# Altium PCB AATB-V2.1.PcbDoc (part 3 of 5) (continued)
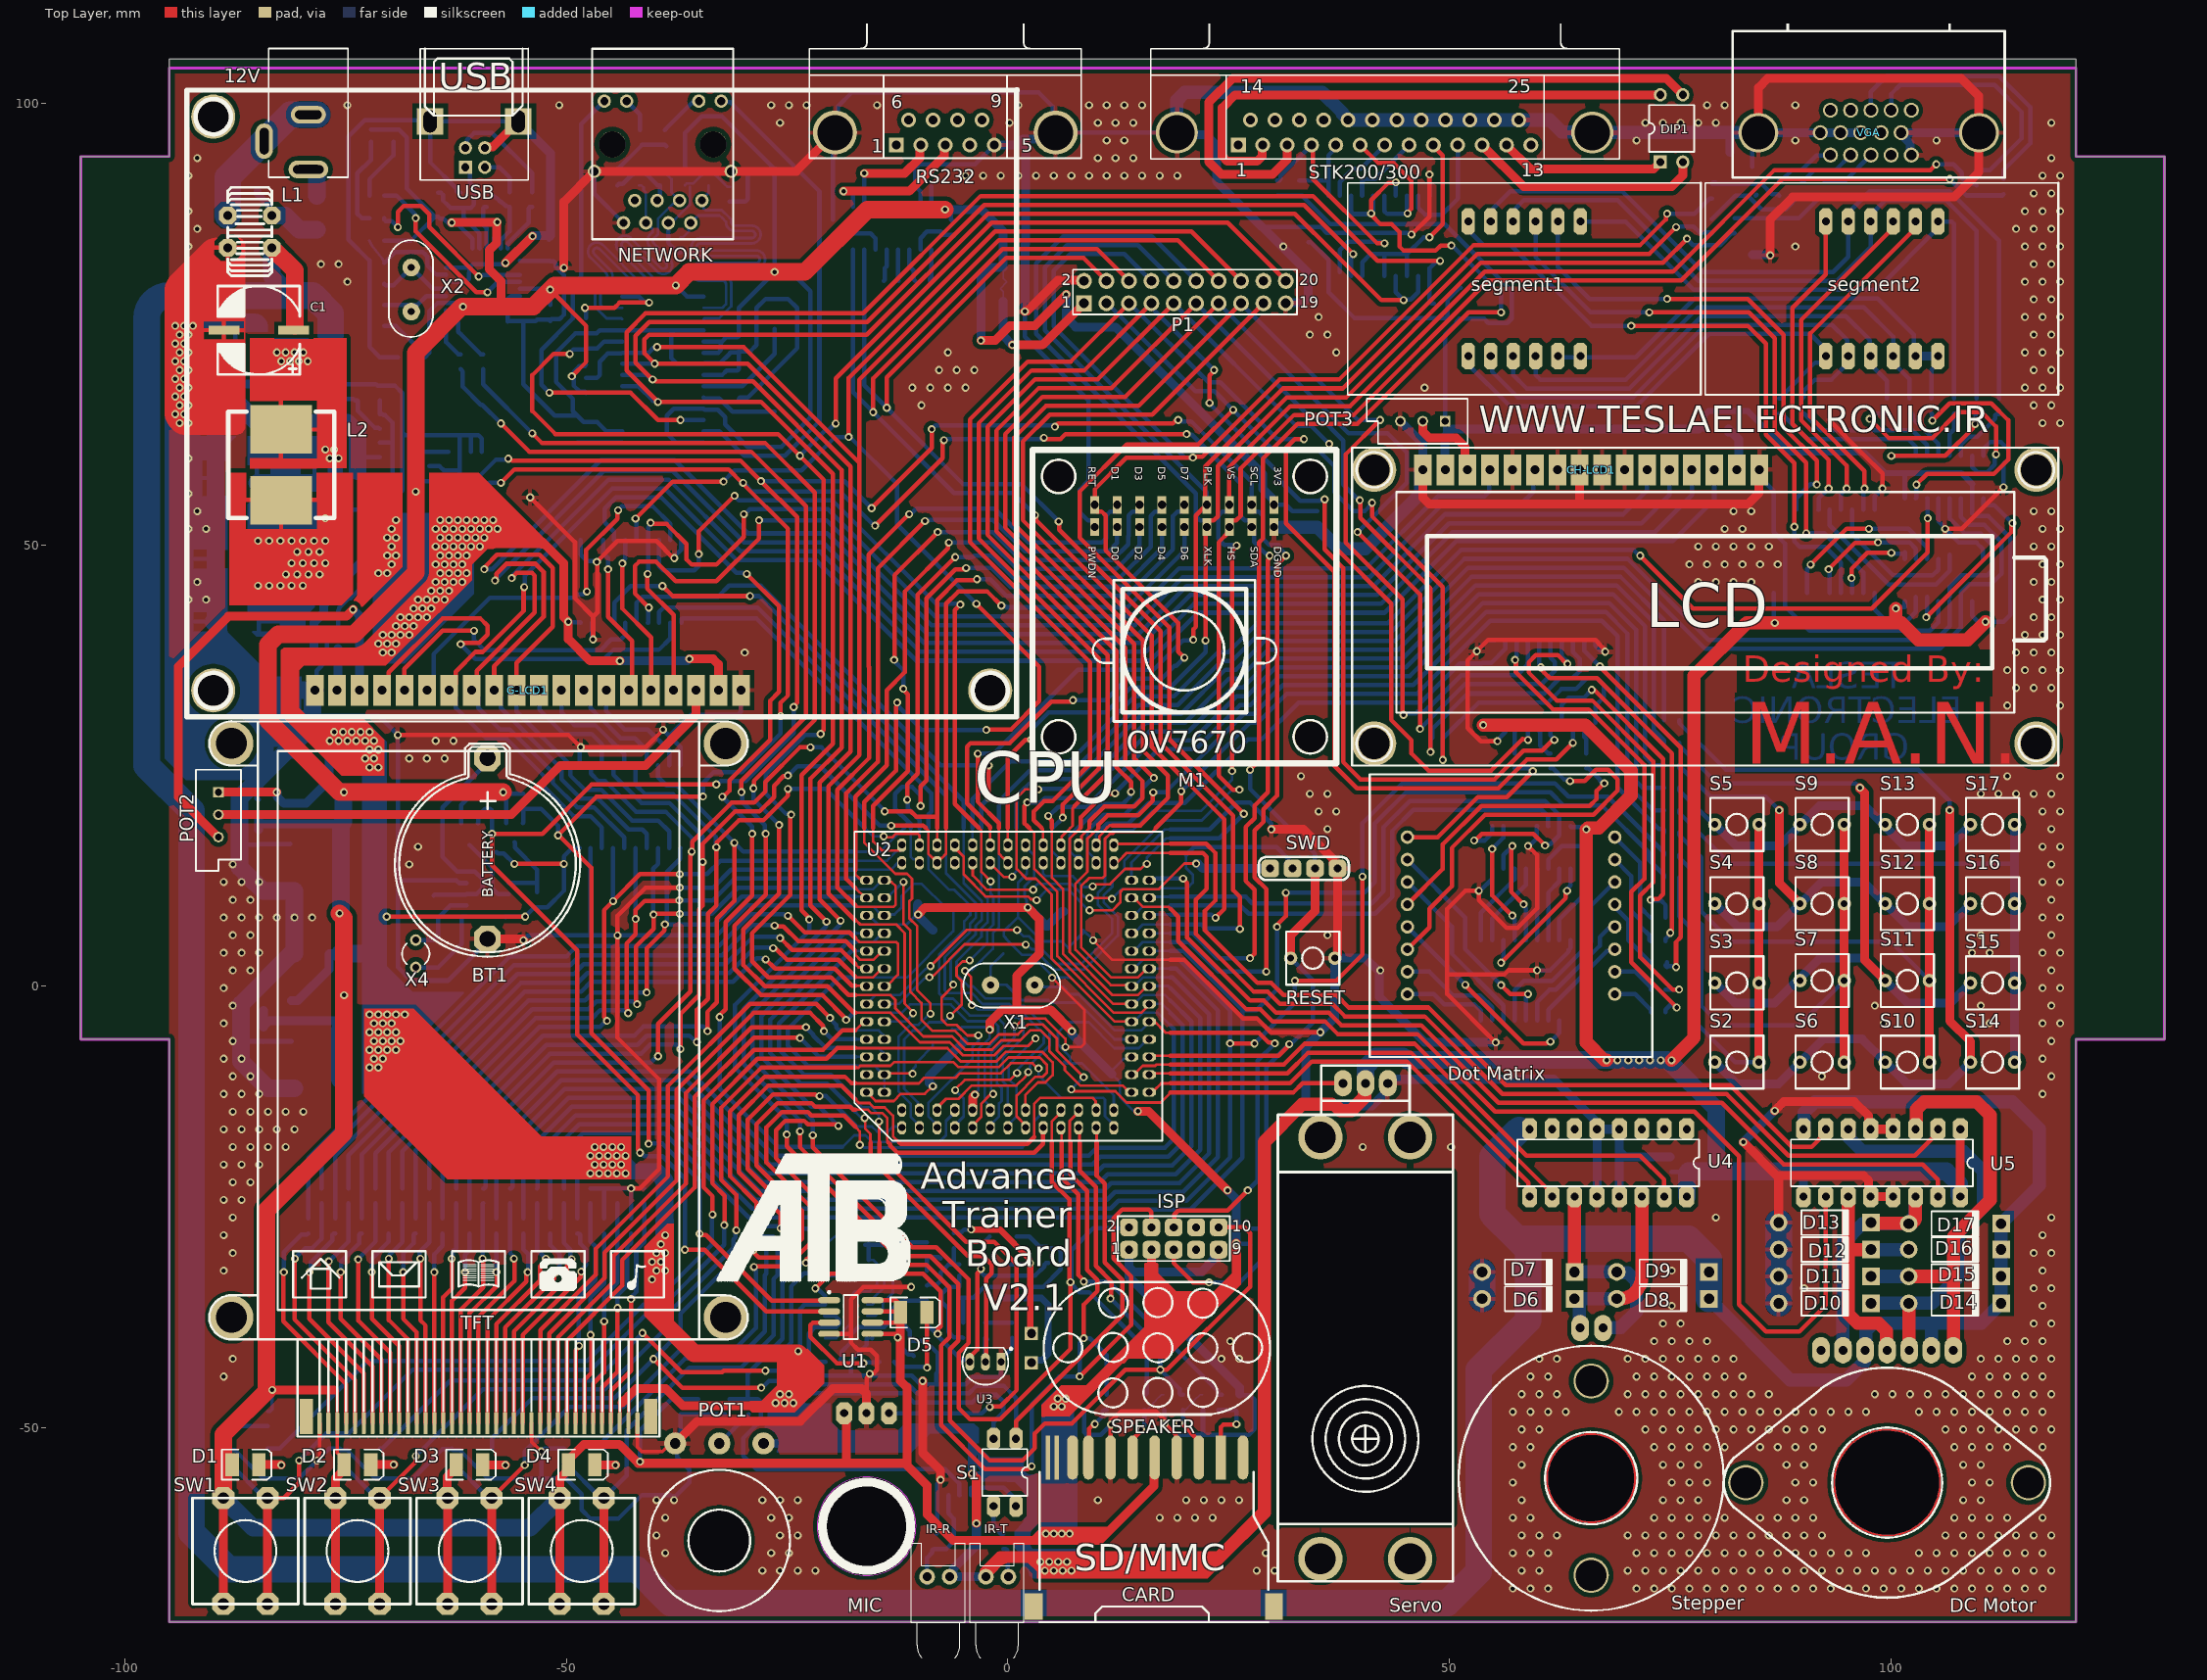
[diagram p0: Top Layer view]
## Nets (pads, with @x,y where several pads share a name; then routed paths per layer and width w, separated by ;. In a path a pad name is that pad's centre, name@x,y a point inside that pad or via, vN(x,y) a via of type N, cw(c..) or ccw(c..) an arc to the next point about the centre after c; other vN are vias at no path point) (continued)
  Bottom Layer w0.52: -87.015,15.884 -86.849,16.05 C49.1@-84.84,16.05 -84.803,16.087 -81.321,16.087 U24.1@-81.284,16.124 ; -86.872,-5.96 -86.604,-6.228 U23.1@-81.136,-6.228 -81.173,-6.265 -84.295,-6.265 C47.1@-84.332,-6.302 ; -85.094,23.25 -85.094,21.28 -84.954,21.14 C50.1@-84.84,21.14 ; -84.84,22.996 -82.326,25.51 -82.326,25.754 -82.036,26.044 C41.2@-80.836,26.044 ; -78.744,30.616 -71.256,30.616 v1(-69.088,28.448) -69.092,28.444 -69.092,11.82 ; U21.4@-61.332,11.693 -62.154,11.693 -62.457,11.996 C30.2@-65.028,11.996 -68.916,11.996 -69.092,11.82 ; BT1.2@-58.932,5.352 -58.932,5.114 -63.402,0.644 -67.568,0.644 -69.092,2.168 -69.092,11.82 ; U19.1@-48.519,25.029 -48.504,25.044 -48.504,26.953 v1(-48.377,27.08) ; U18.1@-48.391,50.556 -48.391,48.899 -47.643,48.151 -46.629,48.151 v1(-46.556,48.079) ; U18.19@-47.121,41.156 -47.106,41.141 -47.106,39.516 -46.977,39.387 v1(-46.977,39.284) ; v1(-39.039,29.052) -38.337,28.351 ; v1(-37.776,48.495) -37.776,48.698 -36.976,49.497 -36.976,50.541 U18.10@-36.961,50.556 ; U19.10@-37.089,25.029 -37.089,27.102 -38.337,28.351 ; G-LCD1.1@-30.24,33.54 -30.24,31.065 -30.545,30.76 -35.928,30.76 -38.337,28.351 ; CP1.2@8.632,-47.958 8.632,-50.495 8.937,-50.8 10.528,-50.8 v1(11.68,-49.648)
  Bottom Layer w1: U25.6@-87.516,68.208 U25.3@-76.616,68.208 ; RS232.5@-1.544,95.28 1.016,95.28 ; v1(1.931,76.447) 1.965,76.481 1.965,84.027 2.028,84.09 2.028,95.28 1.016,95.28 ; RS232.11@5.411,96.7 4.692,95.981 1.717,95.981 1.016,95.28 ; ISP.1@13.712,-29.836 13.712,-31.79 ; STK200/300.26@19.149,96.7 19.381,96.468 22.404,96.468 23.627,95.245 23.627,91.181 34.032,80.776 34.032,78.033 33.446,77.448 31.588,77.448 P1.19@31.492,77.352 ; ISP.9@23.872,-29.836 23.372,-30.336 23.372,-30.917 21.913,-32.376 14.298,-32.376 13.712,-31.79 ; R35.1@26.237,-46.158 26.237,-45.433 13.712,-32.908 13.712,-31.79 ; 33.758,-8.5 33.758,-12.994 34.344,-13.58 41.228,-13.58 42.5,-12.308 42.5,-12.291 43.04,-11.751 Servo.1@43.04,-10.98 ; 33.758,-8.266 33.758,-6.842 v1(35.393,-5.207) 37.04,-3.56 RESET.2@37.04,3.184 40.504,3.184 42.096,1.592 42.096,-1.202 47.251,-6.357 v1(55.257,-6.357) ; Servo.1@43.04,-10.532 61.84,-10.532 66.512,-15.204 66.512,-15.972 U4.5@66.73,-16.19 ; POT3.3@44.46,64 47,61.46 CH-LCD1.1@47,58.5 ; U4.12@66.73,-23.81 U4.5@66.73,-16.19 ; U4.13@69.27,-23.81 69.27,-18.66 ; C3.1@75.005,-19.304 69.914,-19.304 69.27,-18.66 ; D19.2@81.788,94.432 81.788,96.688 ; v1(83.308,-17.644) v1(86.864,-14.088) ; D18.2@84.328,82.86 86.304,82.86 v1(86.36,82.804) ; VGA.17@85.009,96.688 VGA.6@92.029,96.688 VGA.7@94.319,96.688 VGA.8@96.609,96.688 ; VGA.5@102.334,94.148 102.201,94.281 102.201,95.487 101.189,96.498 VGA.10@101.189,96.688 VGA.16@109.999,96.688 ; U4.5@66.73,-16.19 U4.4@69.27,-16.19 69.27,-18.66
  Bottom Layer w1.5: STK200/300.26@19.149,96.7 19.149,100.349 20.028,101.228 35.627,101.228 37.868,98.988 37.868,98.837 38.534,98.171 STK200/300.18@38.534,98.12 STK200/300.19@41.295,98.12 STK200/300.20@44.056,98.12 STK200/300.21@46.817,98.12 STK200/300.22@49.578,98.12 STK200/300.23@52.339,98.12 STK200/300.24@55.1,98.12 STK200/300.25@57.861,98.12 61.392,98.12 62.733,96.779 66.122,96.779 STK200/300.27@66.201,96.7 66.213,96.688 72.2,96.688 74.2,96.688 80.2,96.688 81.788,96.688 83.564,96.688 VGA.17@83.577,96.675 ; 30.984,52 35.048,52 37.489,49.559 40.487,49.559 46.75,55.822 46.75,58.25 CH-LCD1.1@47,58.5
  Bottom Layer w2: C45.2@-89.98,41.284 -89.73,41.534 -89.73,45.348 ; C38.2@-80.836,-11.548 -83.824,-11.548 -85.486,-9.886 -86.872,-8.5 -86.872,-5.96 -86.872,-2.044 -81.136,3.692 C39.2@-80.836,3.692 C40.2@-80.836,10.804 -84.332,10.804 -86.064,12.536 -87.015,13.487 -87.015,15.884 -87.015,21.329 -85.094,23.25 -78.744,29.6 -78.744,30.616 G-LCD1.20@-78.744,33.54 ; G-LCD1.20@-78.5,33.54 G-LCD1.20@-78.744,33.54 ; D25.1@-73.664,58.358 -73.664,59.572 -73.664,62.654 -74.836,63.826 -85.016,63.826 -87.516,66.326 U25.6@-87.516,68.208 -89.73,65.994 D27.1@-89.73,57.032 -89.73,45.348 ; -89.73,45.348 -89.412,45.03 -89.412,39.252 -83.7,33.54 G-LCD1.20@-78.744,33.54
  Bottom Layer w3: D6.1@53.726,-35.392 D7.1@53.726,-32.344 ; D10.1@87.31,-35.908 D11.1@87.31,-32.86 D12.1@87.31,-29.812 D13.1@87.31,-26.764
  other v1: 57.2,-68.2 59.2,-68.2 61.2,-68.2 71.2,-68.2 73.2,-68.2 75.2,-68.2 77.2,-68.2 79.2,-68.2 81.2,-68.2 83.2,-68.2 85.2,-68.2 87.2,-68.2 89.2,-68.2 91.2,-68.2 93.2,-68.2 95.2,-68.2 97.2,-68.2 99.2,-68.2 101.2,-68.2 103.2,-68.2 105.2,-68.2 107.2,-68.2 109.2,-68.2 111.2,-68.2 113.2,-68.2 115.2,-68.2 117.2,-68.2 -27.8,-66.2 -25.8,-66.2 -23.8,-66.2 -21.8,-66.2 28.2,-66.2 30.2,-66.2 58.2,-66.2 60.2,-66.2 70.2,-66.2 72.2,-66.2 74.2,-66.2 76.2,-66.2 78.2,-66.2 80.2,-66.2 82.2,-66.2 84.2,-66.2 86.2,-66.2 88.2,-66.2 90.2,-66.2 92.2,-66.2 94.2,-66.2 96.2,-66.2 98.2,-66.2 100.2,-66.2 102.2,-66.2 104.2,-66.2 106.2,-66.2 108.2,-66.2 110.2,-66.2 112.2,-66.2 114.2,-66.2 116.2,-66.2 118.2,-66.2 -38.8,-64.2 -26.8,-64.2 -24.8,-64.2 29.2,-64.2 57.2,-64.2 59.2,-64.2 61.2,-64.2 71.2,-64.2 73.2,-64.2 75.2,-64.2 77.2,-64.2 79.2,-64.2 81.2,-64.2 83.2,-64.2 85.2,-64.2 87.2,-64.2 89.2,-64.2 91.2,-64.2 93.2,-64.2 95.2,-64.2 97.2,-64.2 103.2,-64.2 105.2,-64.2 107.2,-64.2 109.2,-64.2 111.2,-64.2 113.2,-64.2 115.2,-64.2 117.2,-64.2 -39.8,-62.2 -25.8,-62.2 -23.8,-62.2 58.2,-62.2 60.2,-62.2 62.2,-62.2 70.2,-62.2 72.2,-62.2 74.2,-62.2 76.2,-62.2 78.2,-62.2 80.2,-62.2 82.2,-62.2 84.2,-62.2 86.2,-62.2 88.2,-62.2 90.2,-62.2 92.2,-62.2 106.2,-62.2 108.2,-62.2 110.2,-62.2 112.2,-62.2 114.2,-62.2 116.2,-62.2 118.2,-62.2 -38.8,-60.2 -26.8,-60.2 -24.8,-60.2 17.2,-60.2 19.2,-60.2 21.2,-60.2 23.2,-60.2 57.2,-60.2 59.2,-60.2 73.2,-60.2 75.2,-60.2 77.2,-60.2 79.2,-60.2 81.2,-60.2 85.2,-60.2 87.2,-60.2 89.2,-60.2 91.2,-60.2 107.2,-60.2 109.2,-60.2 111.2,-60.2 113.2,-60.2 117.2,-60.2 -39.8,-58.2 -37.8,-58.2 -27.8,-58.2 -25.8,-58.2 -23.8,-58.2 10.2,-58.2 20.2,-58.2 22.2,-58.2 24.2,-58.2 26.2,-58.2 58.2,-58.2 74.2,-58.2 76.2,-58.2 78.2,-58.2 88.2,-58.2 90.2,-58.2 108.2,-58.2 110.2,-58.2 57.2,-56.2 75.2,-56.2 77.2,-56.2 79.2,-56.2 89.2,-56.2 91.2,-56.2 109.2,-56.2 111.2,-56.2 58.2,-54.2 74.2,-54.2 76.2,-54.2 78.2,-54.2 88.2,-54.2 90.2,-54.2 108.2,-54.2 110.2,-54.2 57.2,-52.2 59.2,-52.2 73.2,-52.2 75.2,-52.2 77.2,-52.2 79.2,-52.2 81.2,-52.2 85.2,-52.2 87.2,-52.2 89.2,-52.2 91.2,-52.2 107.2,-52.2 109.2,-52.2 111.2,-52.2 113.2,-52.2 117.2,-52.2 58.2,-50.2 60.2,-50.2 72.2,-50.2 74.2,-50.2 76.2,-50.2 78.2,-50.2 80.2,-50.2 82.2,-50.2 84.2,-50.2 86.2,-50.2 88.2,-50.2 90.2,-50.2 92.2,-50.2 106.2,-50.2 108.2,-50.2 110.2,-50.2 112.2,-50.2 114.2,-50.2 116.2,-50.2 118.2,-50.2 57.2,-48.2 59.2,-48.2 61.2,-48.2 63.2,-48.2 69.2,-48.2 71.2,-48.2 73.2,-48.2 75.2,-48.2 77.2,-48.2 79.2,-48.2 81.2,-48.2 83.2,-48.2 85.2,-48.2 87.2,-48.2 89.2,-48.2 91.2,-48.2 93.2,-48.2 95.2,-48.2 97.2,-48.2 103.2,-48.2 105.2,-48.2 107.2,-48.2 109.2,-48.2 111.2,-48.2 113.2,-48.2 115.2,-48.2 117.2,-48.2 58.2,-46.2 60.2,-46.2 62.2,-46.2 70.2,-46.2 72.2,-46.2 74.2,-46.2 76.2,-46.2 78.2,-46.2 80.2,-46.2 82.2,-46.2 84.2,-46.2 86.2,-46.2 98.2,-46.2 100.2,-46.2 102.2,-46.2 104.2,-46.2 106.2,-46.2 108.2,-46.2 110.2,-46.2 112.2,-46.2 114.2,-46.2 116.2,-46.2 118.2,-46.2 -88.8,-44.2 59.2,-44.2 61.2,-44.2 71.2,-44.2 73.2,-44.2 75.2,-44.2 77.2,-44.2 79.2,-44.2 81.2,-44.2 83.2,-44.2 109.2,-44.2 111.2,-44.2 113.2,-44.2 115.2,-44.2 117.2,-44.2 -87.8,-42.2 24.2,-42.2 26.2,-42.2 60.2,-42.2 62.2,-42.2 70.2,-42.2 72.2,-42.2 74.2,-42.2 76.2,-42.2 78.2,-42.2 80.2,-42.2 82.2,-42.2 110.2,-42.2 112.2,-42.2 114.2,-42.2 116.2,-42.2 118.2,-42.2 25.2,-40.2 73.2,-40.2 75.2,-40.2 77.2,-40.2 79.2,-40.2 113.2,-40.2 115.2,-40.2 117.2,-40.2 74.2,-38.2 76.2,-38.2 116.2,-38.2 118.2,-38.2 75.2,-36.2 117.2,-36.2 90.2,-34.2 116.2,-34.2 118.2,-34.2 -88.8,-32.2 75.2,-32.2 117.2,-32.2 -87.8,-30.2 116.2,-30.2 118.2,-30.2 -88.8,-28.2 117.2,-28.2 -87.8,-26.2 80.2,-26.2 118.2,-26.2 -88.8,-24.2 -86.8,-24.2 -87.8,-22.2 -85.8,-22.2 -88.8,-20.2 -86.8,-20.2 -84.8,-20.2 -87.8,-18.2 -85.8,-18.2 -83.8,-18.2 -81.8,-18.2 40.2,-18.2 50.2,-18.2 -88.8,-16.2 -86.8,-16.2 -84.8,-16.2 -82.8,-16.2 -80.8,-16.2 -87.8,-14.2 -85.8,-14.2 -83.8,-14.2 -81.8,-14.2 -79.8,-14.2 -88.8,-12.2 -86.8,-12.2 -84.8,-12.2 117.2,-12.2 -87.8,-10.2 -85.8,-10.2 92.2,-10.2 118.2,-10.2 -88.8,-8.2 -86.8,-8.2 117.2,-8.2 -87.8,-6.2 118.2,-6.2 -88.8,-4.2 99.2,-4.2 111.2,-4.2 117.2,-4.2 119.2,-4.2 -87.8,-2.2 98.2,-2.2 110.2,-2.2 118.2,-2.2 -88.8,-0.2 117.2,-0.2 119.2,-0.2 -87.8,1.8 -85.8,1.8 42.2,1.8 118.2,1.8 -88.8,3.8 -86.8,3.8 -84.8,3.8 109.2,3.8 111.2,3.8 117.2,3.8 119.2,3.8 -87.8,5.8 -85.8,5.8 36.2,5.8 110.2,5.8 118.2,5.8 -88.8,7.8 -86.8,7.8 -84.8,7.8 -82.8,7.8 -80.8,7.8 -78.8,7.8 117.2,7.8 119.2,7.8 -87.8,9.8 -85.8,9.8 118.2,9.8 -88.8,11.8 -86.8,11.8 -84.8,11.8 117.2,11.8 119.2,11.8 -87.8,13.8 -67.8,13.8 118.2,13.8 -66.8,15.8 117.2,15.8 119.2,15.8 36.2,17.8 118.2,17.8 35.2,19.8 37.2,19.8 117.2,19.8 119.2,19.8 34.2,21.8 36.2,21.8 110.2,21.8 112.2,21.8 114.2,21.8 116.2,21.8 118.2,21.8 33.2,23.8 113.2,23.8 119.2,23.8 -67.8,25.8 -65.8,25.8 -63.8,25.8 -64.8,27.8 -62.8,27.8 113.2,31.8 119.2,31.8 114.2,33.8 116.2,33.8 118.2,33.8 113.2,35.8 115.2,35.8 117.2,35.8 119.2,35.8 -29.8,37.8 114.2,37.8 116.2,37.8 118.2,37.8 115.2,39.8 117.2,39.8 119.2,39.8 116.2,41.8 118.2,41.8 -92.8,43.8 -90.8,43.8 117.2,43.8 119.2,43.8 -91.8,45.8 78.2,45.8 80.2,45.8 82.2,45.8 84.2,45.8 116.2,45.8 118.2,45.8 77.2,47.8 79.2,47.8 81.2,47.8 83.2,47.8 85.2,47.8 87.2,47.8 117.2,47.8 119.2,47.8 78.2,49.8 80.2,49.8 82.2,49.8 84.2,49.8 86.2,49.8 116.2,49.8 118.2,49.8 -92.8,51.8 -90.8,51.8 81.2,51.8 83.2,51.8 117.2,51.8 119.2,51.8 -91.8,53.8 82.2,53.8 84.2,53.8 116.2,53.8 118.2,53.8 -92.8,55.8 -92.8,59.8 -93.8,63.8 -92.8,63.8 117.2,63.8 119.2,63.8 -94.3,64.8 -93.3,64.8 -93.8,65.8 -92.8,65.8 -9.8,65.8 116.2,65.8 118.2,65.8 -94.3,66.8 -93.3,66.8 -93.8,67.8 -92.8,67.8 -10.8,67.8 -8.8,67.8 -6.8,67.8 -4.8,67.8 47.2,67.8 115.2,67.8 117.2,67.8 119.2,67.8 -94.3,68.8 -93.3,68.8 -93.8,69.8 -92.8,69.8 -7.8,69.8 -5.8,69.8 -3.8,69.8 116.2,69.8 118.2,69.8 -94.3,70.8 -93.3,70.8 -93.8,71.8 -92.8,71.8 -6.8,71.8 37.2,71.8 115.2,71.8 117.2,71.8 119.2,71.8 -94.3,72.8 -93.3,72.8 -93.8,73.8 -92.8,73.8 34.2,73.8 36.2,73.8 116.2,73.8 118.2,73.8 -94.3,74.8 -93.3,74.8 -92.3,74.8 35.2,75.8 115.2,75.8 117.2,75.8 119.2,75.8 116.2,77.8 118.2,77.8 -74.8,79.8 115.2,79.8 117.2,79.8 119.2,79.8 -77.8,81.8 -75.8,81.8 116.2,81.8 118.2,81.8 -92.8,83.8 31.2,83.8 89.2,83.8 115.2,83.8 117.2,83.8 119.2,83.8 -91.8,85.8 114.2,85.8 116.2,85.8 118.2,85.8 -92.8,87.8 115.2,87.8 117.2,87.8 119.2,87.8 116.2,89.8 118.2,89.8 -92.8,91.8 -4.8,91.8 -2.8,91.8 -0.8,91.8 1.2,91.8 3.2,91.8 5.2,91.8 7.2,91.8 9.2,91.8 11.2,91.8 13.2,91.8 15.2,91.8 17.2,91.8 19.2,91.8 117.2,91.8 119.2,91.8 -91.8,93.8 10.2,93.8 12.2,93.8 14.2,93.8 118.2,93.8 11.2,95.8 13.2,95.8 71.2,95.8 89.2,95.8 105.2,95.8 -25.8,97.8 0.2,97.8 10.2,97.8 12.2,97.8 14.2,97.8 72.2,97.8 74.2,97.8 76.2,97.8 78.2,97.8 80.2,97.8 118.2,97.8 -74.8,99.8 -50.8,99.8 -26.8,99.8 -24.8,99.8 -22.8,99.8 -14.8,99.8 1.2,99.8 9.2,99.8 11.2,99.8 13.2,99.8 15.2,99.8 79.2,99.8 81.2,99.8 89.2,99.8
IR-INPUT: S1.4 U14.1 | length 7.2
  Bottom Layer w0.5: U14.1@-4.195,-57.636 -4.195,-56.863 -4.149,-56.817 -0.455,-56.817 0.925,-58.197 S1.4@0.925,-58.87
IR-OUT: R43.1 S1.3 | length 3.8
  Bottom Layer w0.5: S1.3@-1.615,-58.87 -1.615,-60.903 -0.937,-61.581 -0.937,-61.856 -0.787,-62.006 R43.1@-0.512,-62.006
LCD-D0: G-LCD1.7 U19.9 | length 13
  Bottom Layer w0.5: G-LCD1.7@-45.48,33.54 -45.48,31.168 -43.404,29.092 -40.776,29.092 -38.359,26.675 U19.9@-38.359,25.029
LCD-D1: G-LCD1.8 U19.7 | length 12.4
  Bottom Layer w0.5: G-LCD1.8@-48.02,33.54 -47.27,32.79 -47.27,31.519 -46.351,30.6 -46.326,30.6 -43.818,28.092 -42.212,28.092 -40.899,26.779 U19.7@-40.899,25.029
LCD-D2: G-LCD1.9 U19.5 | length 12.9
  Bottom Layer w0.5: G-LCD1.9@-50.56,33.54 -50.56,31.04 -49.12,29.6 -46.74,29.6 -43.439,26.299 U19.5@-43.439,25.029
LCD-D3: G-LCD1.10 U19.3 | length 13.3
  Bottom Layer w0.5: G-LCD1.10@-53.1,33.54 -53.045,33.485 -53.045,31.333 -50.312,28.6 -47.154,28.6 -45.979,27.425 U19.3@-45.979,25.029
LCD-D4: CH-LCD1.11 G-LCD1.11 U19.12 | length 206.6
  Top Layer w0.52: v1(-59.296,47.244) -59.296,47.347 -59.106,47.537 -59.106,47.637 -57.872,48.871 -53.06,48.871 -51.556,47.366 -51.556,40.714 -55.64,36.63 G-LCD1.11@-55.64,33.54
  Bottom Layer w0.5: G-LCD1.11@-55.64,33.54 -55.64,31.144 -49.569,25.073 -49.569,23.894 -47.954,22.279 -46.045,22.279 -42.546,18.78 -39.608,18.78 -38.359,17.531 U19.12@-38.359,15.629
  Bottom Layer w0.52: v1(-59.296,47.244) -58.42,47.244 -46.092,59.572 -37.728,59.572 -29.456,51.3 -20.483,51.3 -9.093,39.91 -1.139,39.91 1.355,39.91 14.81,39.91 20.24,45.34 41.409,45.34 49.537,53.468 69.724,53.468 72.4,56.144 CH-LCD1.11@72.4,58.5
LCD-D5: CH-LCD1.12 G-LCD1.12 U19.14 | length 206
  Top Layer w0.52: G-LCD1.12@-58.18,33.54 -58.18,36.247 -52.576,41.851 -52.576,46.944 -53.483,47.851 -56.804,47.851 -57.935,46.72 -57.935,46.103 v1(-58.078,45.959)
  Bottom Layer w0.5: G-LCD1.12@-58.18,33.54 -57.43,32.79 -57.43,31.519 -50.569,24.658 -50.569,23.48 -48.368,21.279 -46.459,21.279 -42.96,17.78 -41.412,17.78 -40.899,17.267 U19.14@-40.899,15.629
  Bottom Layer w0.52: v1(-58.078,45.959) -58.078,46.062 -45.738,58.402 -38,58.402 -29.878,50.28 -20.905,50.28 -9.515,38.89 -1.561,38.89 1.777,38.89 15.233,38.89 20.663,44.32 41.831,44.32 49.959,52.448 71.752,52.448 74.94,55.636 CH-LCD1.12@74.94,58.5
LCD-D6: CH-LCD1.13 G-LCD1.13 U19.16 | length 202.5
  Top Layer w0.5: G-LCD1.13@-60.72,33.54 -60.162,34.098 -60.162,35.747 -53.586,42.323 -53.586,46.525 -53.901,46.841 -55.633,46.841 -56.186,46.287 v1(-56.186,46.243)
  Bottom Layer w0.5: G-LCD1.13@-60.72,33.54 -59.97,32.79 -59.97,31.519 -57.553,29.102 -56.427,29.102 -51.569,24.244 -51.569,23.066 -48.782,20.279 -46.874,20.279 -43.458,16.864 -43.458,15.648 U19.16@-43.439,15.629 ; v1(-56.186,46.243) -56.186,46.351 -55.981,46.556 -55.981,46.638 -45.227,57.392 -38.419,57.392 -30.297,49.27 -21.323,49.27 -9.933,37.88 -1.98,37.88 2.196,37.88 15.651,37.88 21.081,43.31 42.25,43.31 50.378,51.438 73.282,51.438 77.48,55.636 CH-LCD1.13@77.48,58.5
LCD-D7: CH-LCD1.14 G-LCD1.14 U19.18 | length 202.3
  Top Layer w0.52: G-LCD1.14@-63.26,33.54 -62.548,34.252 -62.548,35.641 -60.315,37.873 -59.464,37.873 -54.846,42.491 -54.846,45.152 v1(-54.786,45.212)
  Bottom Layer w0.5: G-LCD1.14@-63.26,33.54 -62.51,32.79 -62.51,31.519 -59.093,28.102 -56.841,28.102 -52.569,23.83 -52.569,22.651 -49.197,19.279 -47.288,19.279 -45.979,17.97 U19.18@-45.979,15.629
  Bottom Layer w0.52: v1(-54.786,45.212) -54.713,45.285 -54.713,46.477 -44.808,56.382 -38.837,56.382 -30.715,48.26 -21.742,48.26 -10.352,36.87 -2.398,36.87 2.614,36.87 16.069,36.87 21.499,42.3 42.668,42.3 50.796,50.428 75.32,50.428 80.02,55.128 CH-LCD1.14@80.02,58.5
LCD-DI: U2.7 U18.13 | length 99.6
  Top Layer w0.3: v1(-5.962,-11.76) -5.962,-11.677 -4.877,-10.592 0.248,-10.592 1.021,-9.818 v1(1.05,-9.818)
  Bottom Layer w0.3: -7,17.916 -7,12.786 -3.6,9.386 -3.6,7.789 -4.283,7.106 -4.283,6.161 -5.158,5.286 -7.127,3.317 -7.127,-0.465 -6.834,-0.757 -4.103,-0.757 -2.847,-2.014 0.169,-2.014 1.034,-2.879 1.579,-2.879 4.083,-5.383 4.083,-5.876 4.077,-5.882 4.077,-6.432 1.125,-9.384 1.125,-9.744 v1(1.05,-9.818) ; U2.7@-6,-16 -6,-15.75 -5,-14.75 -5,-12.722 v1(-5.962,-11.76) v1@-5.962,-11.776
  Bottom Layer w0.5: U18.13@-39.501,41.156 -39.501,42.393 -38.988,42.906 -28.33,42.906 -7,21.576 -7,17.916
LCD-DI-TTL: CH-LCD1.4 G-LCD1.4 U18.7 | length 135.8
  Top Layer w0.5: v1(-40.791,46.701) -40.867,46.625 -40.867,45.063 -37.86,42.056 G-LCD1.4@-37.86,33.54 ; v1(-40.459,52.507) -40.312,52.36 -38.644,52.36 -36.391,50.107 -36.391,48.353 -35.789,47.752 -33.02,47.752 -29.896,50.876 v1(-29.896,53.476)
  Bottom Layer w0.5: v1(-40.791,46.701) -40.752,46.74 -40.752,50.556 -40.752,52.006 -40.459,52.299 v1(-40.459,52.507) ; v1(-29.896,53.476) -29.787,53.476 -29.243,54.02 -20.36,54.02 -8.26,41.92 -0.306,41.92 0.522,41.92 13.978,41.92 19.408,47.35 40.576,47.35 48.704,55.478 53.978,55.478 54.5,56 CH-LCD1.4@54.5,58.5
LCD-RW: U2.6 U18.15 | length 108.3
  Top Layer w0.3: U2.6@-8,-14 -8,-13.75 -7,-12.75 -5.608,-12.75 -4.1,-11.242 0.97,-11.242 2,-10.212 2,-10.192 2.307,-9.886 v1(2.307,-9.723)
  Top Layer w0.5: v1(-2.159,21.336) v1(-2.159,25.019)
  Bottom Layer w0.3: -3,17.916 -3,10.624 -2.3,9.924 -2.3,7.251 -2.983,6.568 -2.983,5.623 -5.799,2.807 -5.799,1.348 -4.443,-0.008 -3.934,-0.008 -2.577,-1.364 0.439,-1.364 1.304,-2.229 1.848,-2.229 4.733,-5.114 4.733,-6.145 4.727,-6.151 4.727,-6.702 2.53,-8.899 2.53,-9.076 2.524,-9.082 2.524,-9.344 2.307,-9.561 v1(2.307,-9.723)
  Bottom Layer w0.5: U18.15@-42.041,41.156 -42.041,43.467 -41.369,44.139 -32.823,44.139 -31.566,45.396 -27.992,45.396 -7.615,25.019 v1(-2.159,25.019) ; -3,17.916 -3,20.48 -2.159,21.321 v1(-2.159,21.336)
LCD-RW-TTL: G-LCD1.5 U18.5 | length 18.5
  Top Layer w0.5: v1(-43.65,47.902) -43.692,47.861 -43.692,42.808 -40.4,39.516 G-LCD1.5@-40.4,33.54
  Bottom Layer w0.5: v1(-43.65,47.902) -43.65,48.111 -43.311,48.45 U18.5@-43.311,50.556
LED-BLUE: R103.1 S1.1 U2.23 | length 127.6
  Top Layer w0.3: 10.06,-17.667 U2.23@10.06,-15.737
  Top Layer w0.5: v1(-41.374,-39.266) -36.949,-43.691 -32.331,-43.691 -32.185,-43.546 v1(-27.459,-43.546) ; S1.1@0.925,-51.25 0.925,-49.25 12.971,-37.204 12.971,-33.277 10.962,-31.268 10.962,-22.335 10.06,-21.433 10.06,-17.667
  Bottom Layer w0.5: R103.1@-71.124,-52.354 -70.849,-52.354 -63.129,-44.634 -46.743,-44.634 v1(-41.374,-39.266) ; v1(-27.459,-43.546) -24.128,-43.546 -22.592,-45.082 -11.284,-45.082 -10.29,-46.076 -4.377,-46.076 -3.587,-45.286 -0.434,-45.286 0.925,-46.645 S1.1@0.925,-51.25
LED-GREEN: R86.1 S1.2 U2.24 | length 159.6
  Top Layer w0.3: -17.276,-12.825 -16.877,-13.224 -15.669,-13.224 -15.177,-13.716 -13.937,-13.716 -13,-14.653 -13,-16.972 -12.305,-17.667 ; 3,-17.075 3,-13.293 3.659,-12.634 9.586,-12.634 9.958,-13.006 9.958,-13.958 U2.24@10,-14
  Top Layer w0.5: v1(-40.132,-42.205) -36.871,-45.466 v1(-27.94,-45.466) ; v1(-25.738,-27.421) -25.738,-25.822 -30.484,-21.076 -30.484,-14.596 -27.115,-11.227 -18.874,-11.227 -17.276,-12.825 ; -12.305,-17.667 -12.108,-17.864 2.211,-17.864 3,-17.075
  Bottom Layer w0.5: R86.1@-58.424,-52.354 -58.424,-51.204 -53.854,-46.634 -44.564,-46.634 -40.135,-42.205 v1(-40.132,-42.205) ; v1@-40.132,-42.202 -37.088,-39.158 -37.088,-37.088 -30.059,-30.059 -30.059,-29.104 -28.122,-27.168 -26.1,-27.168 -25.846,-27.421 v1(-25.738,-27.421) ; v1(-27.94,-45.466) -27.832,-45.466 -27.054,-44.688 -24.4,-44.688 -23.006,-46.082 -11.698,-46.082 -10.656,-47.124 -4.011,-47.124 -3.173,-46.286 -1.273,-46.286 -0.508,-47.051 -0.508,-48.26 -1.615,-49.367 S1.2@-1.615,-51.25
LED-RED: R67.1 U2.25 | length 101.8
  Top Layer w0.3: -17.276,-11 -10.087,-11 -9.451,-10.365 -5.933,-10.365 -5.43,-9.862 -0.807,-9.862 0.344,-8.711 2.788,-8.711 3.369,-9.292 v1(3.48,-9.292)
  Top Layer w0.5: v1(-27.377,-29.534) -27.432,-29.534 -28.452,-28.514 -28.452,-24.523 -31.484,-21.491 -31.484,-14.182 -27.529,-10.227 -18.46,-10.227 -17.687,-11 -17.276,-11
  Bottom Layer w0.3: v1(3.48,-9.292) 3.48,-10.084 6.03,-12.634 10.805,-12.634 11,-12.829 11,-14.707 11.753,-15.46 U2.25@12.077,-15.46
  Bottom Layer w0.5: R67.1@-45.724,-52.354 -45.724,-51.354 -36.55,-42.18 -30.618,-42.18 -27.542,-39.104 -27.542,-32.732 -27.377,-32.567 v1(-27.377,-29.534)
LED-YELLOW: R114.1 U2.92 | length 98.8
  Top Layer w0.3: -17.276,-5 -16.276,-4 U2.92@-16,-4
  Top Layer w0.5: v1(-33.442,-25.862) -33.442,-23.775 -34.484,-22.733 -34.484,-12.939 -28.763,-7.218 -20.947,-7.218 -18.728,-5 -17.276,-5
  Bottom Layer w0.5: R114.1@-83.824,-52.354 -82.466,-52.354 -72.535,-42.423 -47.643,-42.423 -41.294,-36.074 -40.343,-36.074 -33.532,-29.263 -33.532,-25.951 v1(-33.442,-25.862)
LED_NET_A: NETWORK.9 U17.27 | length 57.3
  Bottom Layer w0.5: U17.27@-34.442,62.874 -32.66,62.874 -29.882,60.096 -25.248,60.096 -21.34,64.004 -21.34,90.052 -31.435,100.147 -32.353,100.147 NETWORK.9@-32.463,100.257
LED_NET_B: NETWORK.12 U17.26 | length 55.1
  Top Layer w0.5: v1(-51.926,67.225) -42.709,67.225 -39.628,64.144 v1(-37.088,64.144)
  Bottom Layer w0.5: v1(-51.926,67.225) -52.836,68.135 -52.836,72.089 -49.296,75.629 -49.296,79.368 -48.333,80.331 -48.333,97.637 NETWORK.12@-45.713,100.257 ; v1(-37.088,64.144) U17.26@-34.442,64.144
LM35-OUT: R44.2 U2.83 U3.2 | length 72.3
  Top Layer w0.3: v1(-16.226,-14.929) -16.158,-14.997 -16.158,-16.129 -15.564,-16.724 -15.564,-17.667
  Top Layer w0.5: -15.564,-17.667 -15.564,-19.509 -4.515,-30.558 -2.797,-30.558 -1.848,-31.507 -1.848,-32.501 -2.448,-33.101 -2.448,-42.44 U3.2@-2.544,-42.536
  Bottom Layer w0.3: -17.276,-14.198 -16.659,-14.815 -16.341,-14.815 v1(-16.226,-14.929) ; -17.276,5 -15.25,5 U2.83@-14.114,6.136
  Bottom Layer w0.5: -17.276,-14.198 -20.466,-11.008 -23.467,-11.008 -26.912,-7.563 -26.912,-3.782 -18.13,5 -17.276,5 ; U3.2@-2.544,-42.536 R44.2@-2.544,-39.83 -2.484,-39.83 R44.2@-2.334,-39.98
MISO: ISP.4 R38.1 R42.1 U2.22 U12.11 U17.6 | length 364.6
  Top Layer w0.3: 7.112,-17.667 7,-17.555 7,-15.25 8.184,-14.066 U2.22@8.184,-13.873
  Top Layer w0.5: v1(-25.037,-16.783) -25.037,-18.143 -11.629,-31.551 -9.199,-31.551 -6.624,-34.126 -6.624,-39.75 -7.564,-40.69 -7.564,-47.512 -7.564,-49.708 -2.56,-54.712 2.249,-54.712 2.584,-54.377 v1(2.693,-54.377) ; v1(-22.485,7.579) -22.485,7.688 -22.685,7.888 -22.685,7.954 -23.356,8.625 -23.356,23.918 -19.816,27.458 -19.816,58.048 -27.944,66.176 v1(-39.628,66.176) -43.184,69.732 -43.184,74.084 -41.034,76.234 -16.362,76.234 -3.084,89.512 34.54,89.512 41.889,82.163 v1(48.963,82.163) ; 7.112,-17.667 7.112,-21.314 8.962,-23.164 8.962,-32.096 10.16,-33.294 10.16,-34.524 8.615,-36.069 v1(8.615,-39.863) ; v1(8.128,-44.196) 13.971,-38.353 13.971,-32.862 11.962,-30.854 11.962,-26.278 12.976,-25.264 15.959,-25.264 16.252,-25.557 ISP.4@16.252,-27.296
  Bottom Layer w0.5: U17.6@-43.692,67.954 -41.841,67.954 -40.21,66.323 -39.775,66.323 v1(-39.628,66.176) ; v1(-25.037,-16.783) -25.037,-15.095 -30.912,-9.22 -30.912,-2.125 -22.485,6.302 v1(-22.485,7.579) ; v1(2.693,-54.377) 2.693,-53.051 2.693,-47.345 5.842,-44.196 v1(8.128,-44.196) 8.128,-40.385 8.615,-39.898 v1(8.615,-39.863) 8.637,-39.885 9.315,-39.885 11.172,-41.742 R42.1@11.172,-46.258 ; R38.1@48.256,77.352 47.981,77.352 47.831,77.502 47.831,77.777 47.748,77.86 U12.11@47.748,80.444 47.781,80.477 47.781,81.327 48.541,82.087 48.886,82.087 v1(48.963,82.163)
MMC-NSS: R36.1@24.228,-46.258 U2.19 | length 40.1
  Top Layer w0.3: 6.096,-17.667 U2.19@6.096,-15.463
  Top Layer w0.5: 6.096,-17.667 6.096,-21.712 7.962,-23.578 7.962,-32.694 8.612,-33.344 v1(8.612,-33.444)
  Bottom Layer w0.5: v1(8.612,-33.444) 11.414,-33.444 23.803,-45.833 23.803,-46.108 23.953,-46.258 R36.1@24.228,-46.258
MOSI: ISP.10 R39.1 U2.21 U12.18 U17.7 | length 343
  Top Layer w0.3: 8.128,-17.667 U2.21@8.128,-15.828
  Top Layer w0.5: v1(-23.558,-16.428) -23.558,-18.208 -11.215,-30.551 -8.785,-30.551 -5.624,-33.712 -5.624,-40.164 -6.564,-41.104 -6.564,-49.184 -4.046,-51.702 -2.036,-53.712 1.66,-53.712 3.048,-52.324 3.048,-50.66 4.199,-49.509 7.247,-49.509 13.322,-43.434 v1(17.272,-43.434) 18.034,-43.434 27.432,-34.036 27.432,-27.94 26.788,-27.296 ISP.10@23.872,-27.296 ; v1(-20.532,7.323) -22.356,9.147 -22.356,23.504 -18.816,27.044 -18.816,58.462 -28.874,68.52 -39.905,68.52 -40.117,68.732 -40.284,68.732 -42.168,70.616 -42.168,73.686 -40.62,75.234 -15.948,75.234 -2.67,88.512 33.54,88.512 v1(39.112,82.94) ; 8.128,-17.667 8.128,-20.916 9.962,-22.75 9.962,-31.682 11.771,-33.491 11.771,-34.408 11.708,-34.471 11.708,-35.282 v1(11.632,-35.358)
  Bottom Layer w0.5: U17.7@-43.692,69.224 -40.926,69.224 -40.439,68.737 v1(-40.231,68.737) ; v1(-23.558,-16.428) -23.558,-15.16 -29.912,-8.806 -29.912,-2.539 -20.608,6.765 -20.608,7.246 v1(-20.532,7.323) ; v1(11.632,-35.358) 17.272,-40.999 v1(17.272,-43.434) 19.436,-45.598 19.436,-46.108 19.586,-46.258 R39.1@19.861,-46.258 ; U12.18@38.858,80.444 38.858,82.478